# KiCad board psc_carrier_brd.kicad_pcb (continued)
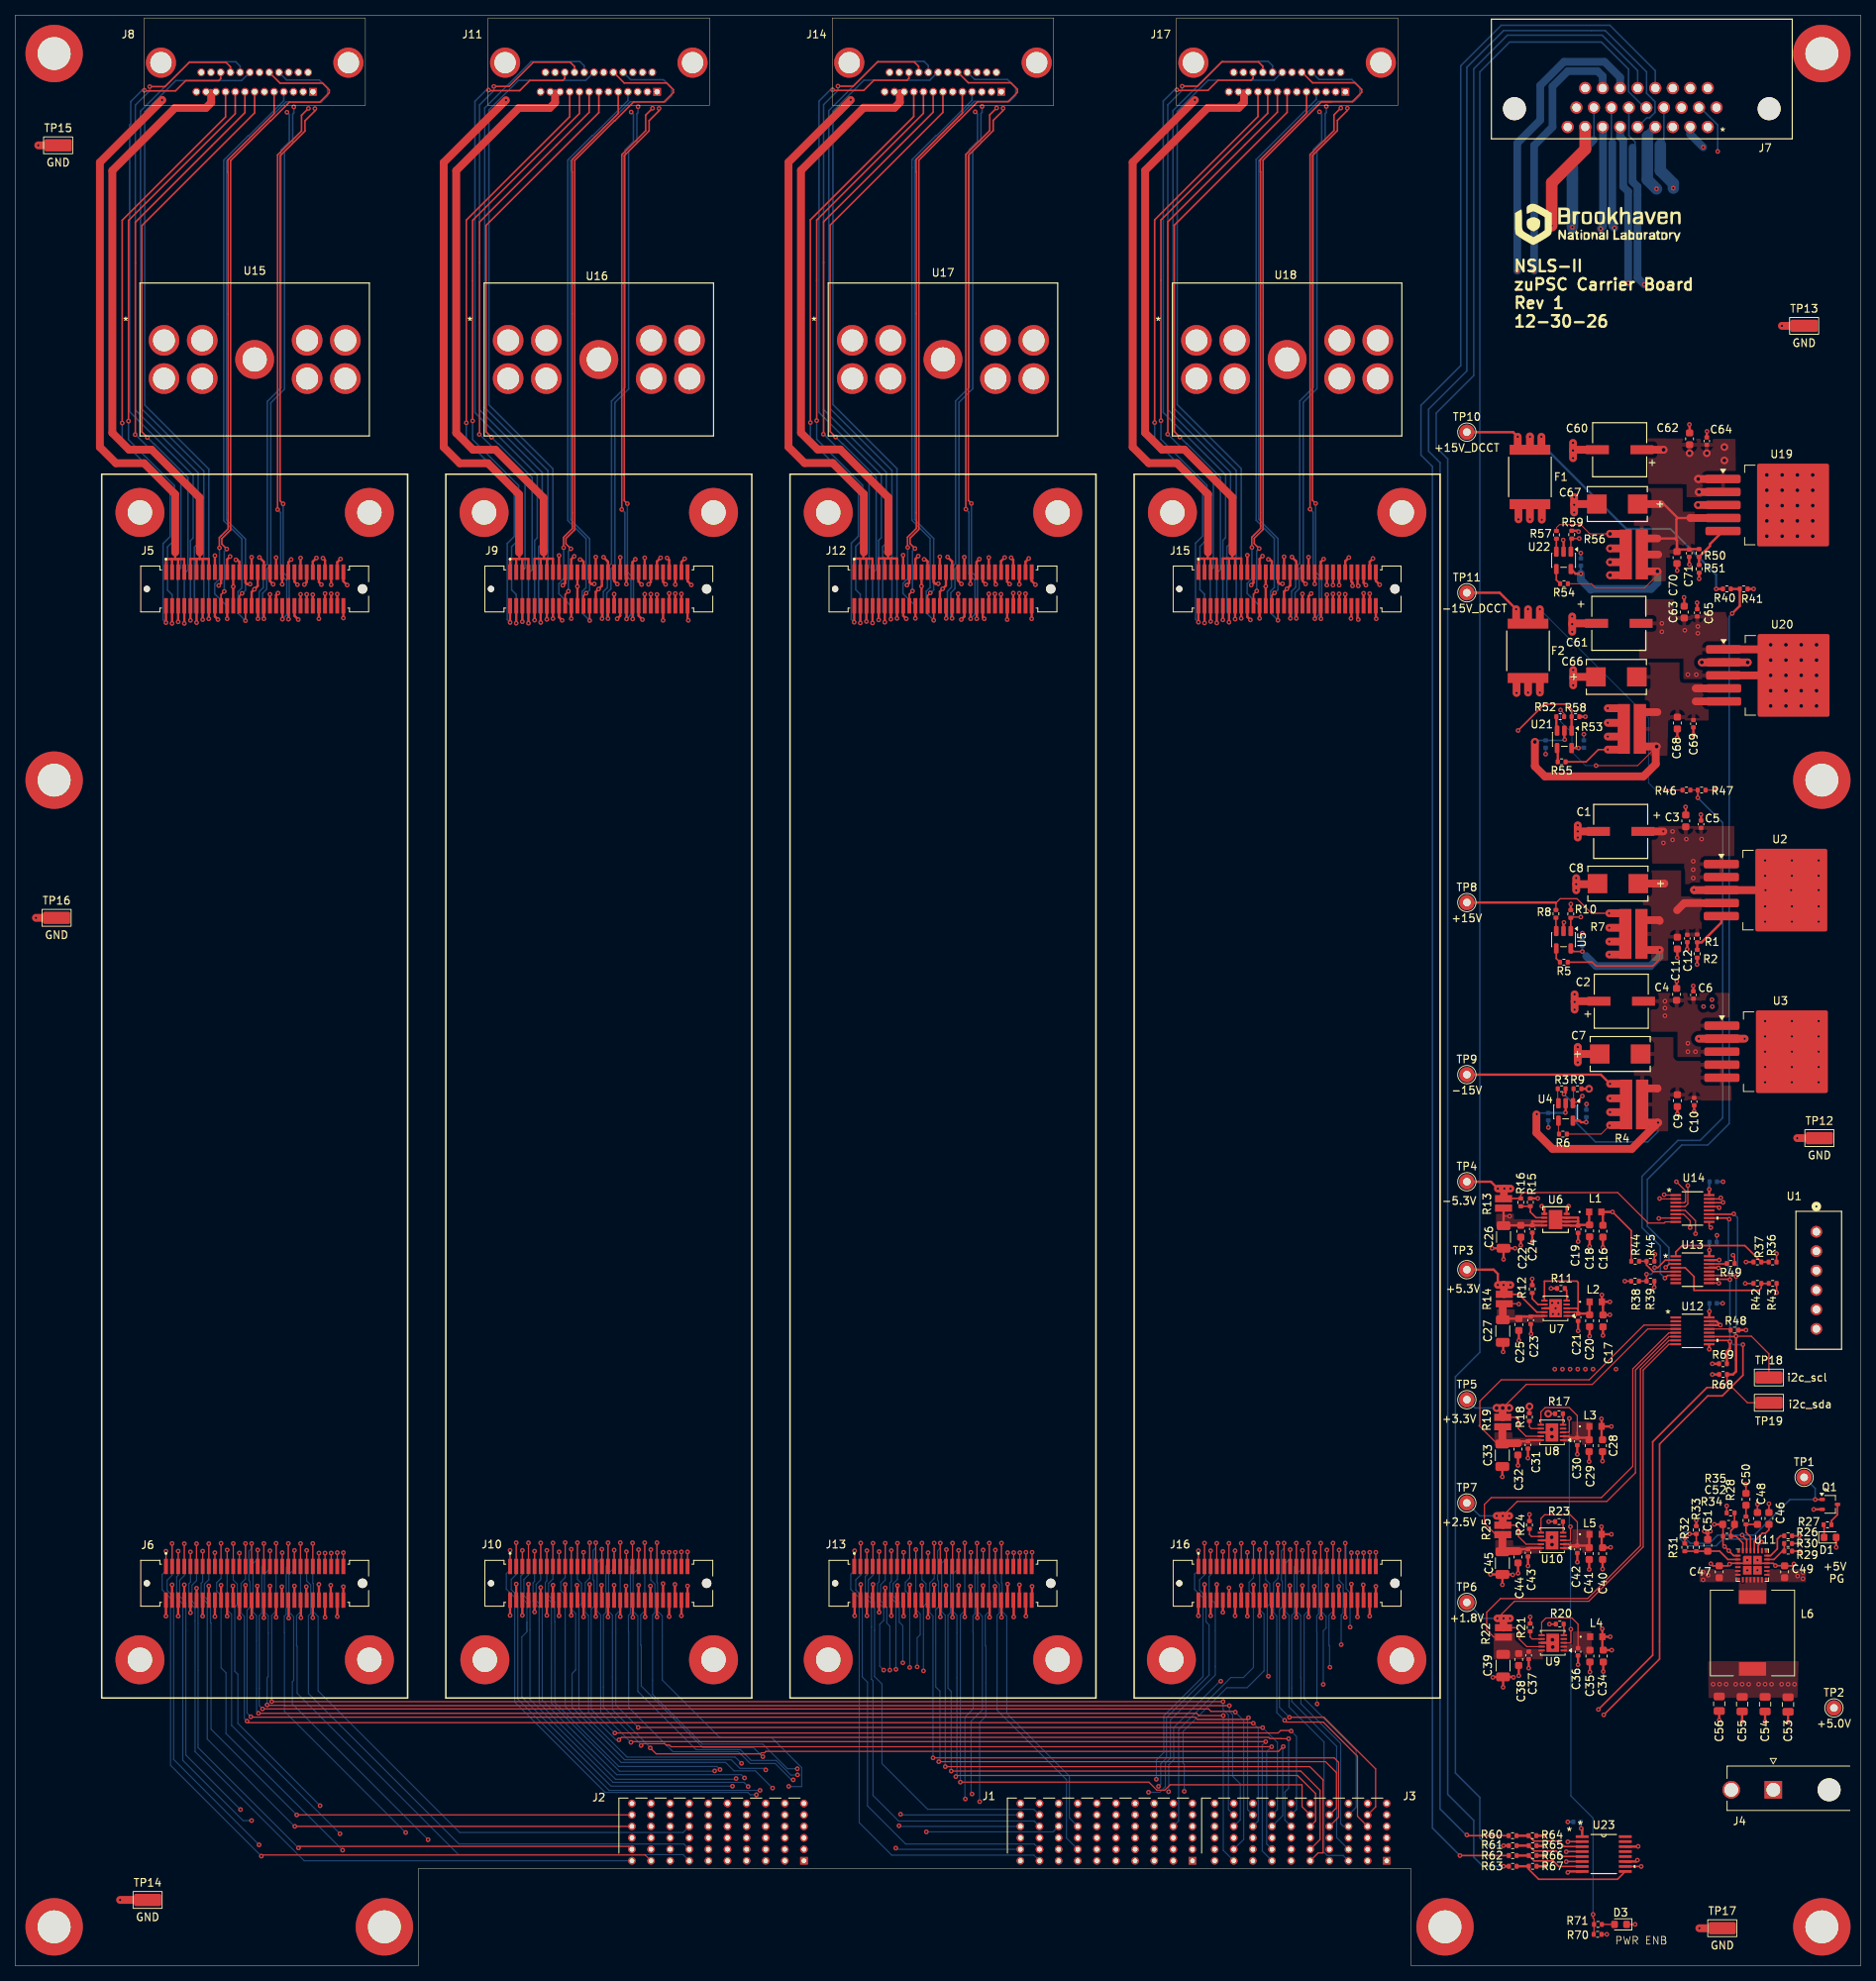
[diagram p0: board, top side]
## Routing (per net, layer and track width the routed paths; a pad name or vN(x,y) marks a point on that pad's centre or on a via; arc(x,y) is an arc through that point) (continued)
  Top w0.2: 161.86,247.59 161.86,246.76 161.6,246.5 157.27,246.5 155.95,245.18 151.95,245.18 v1(151.88,245.25)
  Top w0.3: 157.9,177.85 v1(157.9,175.96)
  Bottom w0.2: v1(157.9,175.96) 157.9,186.35 158.25,186.71 158.25,194.93 150.1,203.08 150.1,243.78 151.57,245.25 v1(151.88,245.25)
/Ch4 Daughterboard/digio.in0: length 42.6
  Top w0.15: v1(157.9,54.15) 157.9,52.25
  In2.Cu - Signal w0.15: v1(157.9,54.15) 157.9,53.82 147.55,43.48 147.55,19.34 J1.C4
/Ch4 Daughterboard/digio.in1: length 44.1
  Top w0.15: 158.7,52.18 v1(158.7,55.23)
  In2.Cu - Signal w0.15: v1(158.7,55.23) 158.1,55.23 157.31,54.43 157.31,54.06 147.02,43.78 147.02,25.43 147.12,25.33 147.12,20.41 J1.D4
/Ch4 Daughterboard/digio.in2: length 57.2
  Top w0.15: v1(159.5,54.25) 159.5,52.25
  In2.Cu - Signal w0.15: v1(159.5,54.25) 159.5,55.13 158.2,56.43 151.68,56.43 145.07,49.82 145.07,24.55 145.15,24.48 145.15,14.94 J1.A5
/Ch4 Daughterboard/digio.in3: length 57.7
  Top w0.15: 160.3,52.18 v1(160.3,55.23)
  In2.Cu - Signal w0.15: v1(160.3,55.23) 158.52,57 151.23,57 144.8,50.57 144.8,16.09 J1.B5
/Ch4 Daughterboard/digio.out0: length 42
  Top w0.15: 154.7,52.25 v1(154.7,54.25)
  In2.Cu - Signal w0.15: J1.C3 149.98,19.27 149.98,23.24 149.98,23.66 149.69,23.95 149.63,23.95 v1(149.2,24.38)
  Bottom w0.15: v1(154.7,54.25) 154.7,51.7 154.2,51.2 154.2,49.2 155.3,48.1 155.3,37.8 150.18,32.68 150.18,27.88 149.2,26.9 v1(149.2,24.38)
/Ch4 Daughterboard/digio.out1: length 42.5
  Top w0.15: J16.3 v1(155.5,55.25)
  In2.Cu - Signal w0.15: J1.D3 149.62,20.41 149.62,23.31 v1(149.48,23.45)
  Bottom w0.15: v1(155.5,55.25) 155.5,51.1 154.85,50.45 154.85,49.12 155.7,48.27 155.7,44.95 156.1,44.55 156.1,38 150.52,32.43 150.52,27.15 149.77,26.4 149.77,23.75 v1(149.48,23.45)
/Ch4 Daughterboard/digio.out2: length 48.3
  Top w0.15: J16.5 v1(156.3,54.25)
  In2.Cu - Signal w0.15: v1(148.18,22.68) 147.95,22.45 147.95,15.24 J1.A4
  Bottom w0.15: 148.07,22.77 v1(148.18,22.68) 149.65,22.68 150.38,23.4 150.38,26.48 151.05,27.15 151.05,32.15 156.9,38 156.9,39.1 156.9,43.8 156.9,47.35 156.1,48.15 156.1,50.9 156.3,51.1 v1(156.3,54.25)
/Ch4 Daughterboard/digio.out3: length 51.9
  Top w0.15: 157.1,52.18 v1(157.1,55.23)
  In2.Cu - Signal w0.15: J1.B4 145.72,15.92 145.72,49.4 152.2,55.88 156.45,55.88 v1(157.1,55.23)
/Ch4 Daughterboard/digout.on1: length 80.6
  Top w0.2: v1(152.27,199.86) 151.55,200.58 151.55,227.56 166.3,242.31 166.3,245.06
  Top w0.3: 157.1,177.85 v1(157.1,175.56)
  Bottom w0.2: v1(157.1,175.56) 157.1,182.06 157.58,182.53 157.58,194.6 153.2,198.98 153.15,198.98 v1(152.27,199.86)
/Ch4 Daughterboard/digout.on2: length 80.2
  Top w0.2: 165.03,245.06 165.03,242.33 150.7,228 150.7,200.25 v1(150.68,200.23)
  Top w0.3: 156.3,177.85 v1(156.3,175.75) 156.3,175.66
  Bottom w0.15: v1(156.3,175.75) 156.25,175.75
  Bottom w0.2: v1(150.68,200.23) 150.73,200.23 156.65,194.31 156.65,182.78 156.25,182.38 156.25,175.81 v1(156.3,175.75)
/Ch4 Daughterboard/digout.reset: length 80.8
  Top w0.2: 163.76,245.06 163.76,242.19 149.8,228.23 v1(149.8,202)
  Top w0.3: v1(155.5,175.56) 155.5,177.85
  Bottom w0.15: v1(155.5,175.56) 155.5,175.67
  Bottom w0.2: v1(155.5,175.56) 155.5,179.31 154.9,179.91 154.9,185.56 155.81,186.46 155.81,193.56 149.8,199.56 v1(149.8,202)
/Ch4 Daughterboard/digout.rtn: length 85.7
  Top w0.3: 158.7,182.25 158.7,183.94 158.65,183.99 ; 159.12,183.99 159.47,183.99 ; 159.12,183.99 158.65,183.99 ; 159.12,183.99 159.12,184.84 ; 159.47,183.99 160.3,183.99 160.3,182.25 ; 159.47,183.99 159.5,183.96 159.5,182.25 ; 158.65,183.99 157.9,183.99 157.9,182.25
  Top w1.016: 159.16,184.8 159.16,191.93 152.87,198.22 149.92,198.22 147.73,200.41 147.73,234.71 155.92,242.9 159.96,242.9 160.66,243.6 160.66,244.81
  In7.Cu - SIG w1.016: 159.95,245.06 161.22,245.06
/Ch4 Daughterboard/digout.spare: length 80.4
  Top w0.2: 162.49,245.06 162.49,241.77 148.98,228.25 v1(148.98,201.75)
  Top w0.3: v1(154.7,175.66) 154.7,177.85
  Bottom w0.2: v1(148.98,201.75) 148.98,199.43 155.27,193.13 155.25,193.1 155.25,186.91 154.32,185.98 154.32,176.03 v1(154.7,175.66)
/Ch4 Daughterboard/mon.busy: length 47.8
  Top w0.15: J16.31 v1(166.7,54.4)
  Bottom w0.15: J3.A3 173.63,14.41 171.54,14.41 171.13,14.82 171.13,29.25 166.55,33.82 166.55,45.8 166.07,46.28 166.07,52.62 166.7,53.25 v1(166.7,54.4)
/Ch4 Daughterboard/mon.cnvrt: length 47.2
  Top w0.15: v1(166.6,32.48) 171.12,32.48 177.88,25.73 177.88,20.77 J3.D2 ; J16.29 v1(165.9,55.25)
  Bottom w0.15: v1(165.9,55.25) 165.9,54.6 165.55,54.25 165.55,50.4 165.68,50.27 165.68,46.93 165.3,46.55 165.3,33.77 v1(166.6,32.48)
/Ch4 Daughterboard/mon.fs: length 46.4
  Top w0.15: J16.33 v1(167.5,55.25)
  Bottom w0.15: v1(167.5,55.25) 167.5,52.45 167.23,52.18 167.23,46.13 166.9,45.8 166.9,36.3 166.9,34.55 172.77,28.68 172.77,16.76 J3.B3
/Ch4 Daughterboard/mon.reset: length 48.2
  Top w0.15: v1(165.98,32.07) 166.2,31.85 171.02,31.85 175.5,27.38 175.5,19.54 J3.C2 ; J16.27 v1(165.1,55.25)
  Bottom w0.15: v1(165.98,32.07) 164.95,33.1 164.95,45.71 164.52,46.14 164.52,50.04 165.1,50.61 v1(165.1,55.25)
/Ch4 Daughterboard/mon.sclk: length 42.1
  Top w0.15: 169.1,52.23 v1(169.1,55.27)
  Bottom w0.15: J3.D3 175.32,20.72 175.32,28.12 168.52,34.93 168.52,45.84 169.1,46.41 v1(169.1,55.27)
/Ch4 Daughterboard/mon.sdo: length 41.6
  Top w0.15: 168.3,52.23 v1(168.3,54.3)
  Bottom w0.15: J3.C3 173.66,18.22 173.3,18.57 173.3,29.05 168.1,34.25 168.1,37.7 168.08,37.72 168.08,45.79 167.58,46.29 167.58,51.25 168.3,51.97 v1(168.3,54.3)
/Ch4 Daughterboard/ps.ignd+: length 75.9
  Top w0.2: v1(165.1,175.91) 165.1,177.85
  Bottom w0.2: 170.11,245.06 170.11,244 162.25,236.14 162.25,188.98 164.62,186.6 164.62,180.19 164.13,179.7 164.13,176.88 v1(165.1,175.91)
/Ch4 Daughterboard/ps.ignd-: length 84.5
  Top w0.2: v1(164.65,179.48) 164.3,179.13 164.3,177.85
  Bottom w0.2: v1(164.65,179.48) 164.7,179.48 165.1,179.88 165.1,186.58 162.6,189.08 162.6,236 162.68,236 170.4,243.73 175.02,243.73 175.82,244.53 175.82,245.53 174.75,246.61 170.46,246.61 169.48,247.59
/Ch4 Daughterboard/ps.spare+: length 74.9
  Top w0.2: 168.84,245.06 168.84,242.2 162.8,236.16 162.8,234.56 162.83,234.53 162.83,187.91 161.68,186.76 161.68,185.45 v1(161.7,185.43)
  Top w0.3: 162.7,177.85 v1(162.7,176.16)
  In2.Cu - Signal w0.2: v1(162.7,176.16) 162.58,176.28
  Bottom w0.2: v1(161.7,185.43) 161.7,181.34 161.08,180.72 161.08,179.4 162.73,177.75 162.73,176.18 v1(162.7,176.16) 162.58,176.28
/Ch4 Daughterboard/ps.spare-: length 86.3
  Top w0.2: 172.1,243.7 170.85,243.7 ; 172.1,243.7 170.8,243.7 163.15,236.06 163.15,187.78 162,186.63 162,185.93 v1(162.65,185.28) ; 172.1,243.7 174.82,243.7 176.05,244.93 176.05,245.31 175.18,246.18 169.62,246.18 168.2,247.59 ; v1(162.32,179.73) 161.9,179.31 161.9,177.85
  Bottom w0.2: v1(162.32,179.73) 162.32,184.96 v1(162.65,185.28)
/Ch4 Daughterboard/ps.vout+: length 72.4
  Top w0.3: 167.5,177.85 v1(167.5,176.16)
  In7.Cu - SIG w0.2: v1(171.43,243.08) 171.43,245.01 171.38,245.06
  Bottom w0.2: v1(171.43,243.08) 171.43,242.31 171.27,242.16 171.27,238.34 170.2,237.26 170.2,206.19 168.4,204.39 168.4,183.16 167.88,182.64 167.88,180.04 167.34,179.5 167.34,176.32 v1(167.5,176.16)
/Ch4 Daughterboard/ps.vout-: length 83.1
  Top w0.3: 166.73,177.85 v1(166.73,176.16)
  In7.Cu - SIG w0.2: 170.75,247.59 170.75,247.01 171.27,246.48 174.52,246.48 175.35,245.66 175.35,243.29 174.39,242.33 170.57,242.33 v1(170.52,242.38)
  Bottom w0.2: v1(170.52,242.38) 170.82,242.08 170.82,238.52 169.75,237.45 169.75,206.37 167.95,204.58 167.95,183.35 167.43,182.82 167.43,180.22 166.89,179.69 166.89,176.32 v1(166.73,176.16)
/Ch4 Daughterboard/reg.out+: length 73.1
  Top w0.2: v1(174.18,242.86) 174.18,242.56 172.88,241.25 172.88,239.93 169.62,236.67 169.62,191.58 v1(170.02,191.18)
  Top w0.3: 170.73,177.75 v1(170.73,176.1)
  In7.Cu - SIG w0.2: 173.92,245.06 173.92,244.49 174.18,244.23 v1(174.18,242.86)
  Bottom w0.2: v1(170.02,191.18) 170.02,182.23 170.02,182.23 170.82,181.43 170.82,176.2 v1(170.73,176.1)
/Ch4 Daughterboard/reg.out-: length 77.9
  Top w0.2: v1(173.32,242.88) 172.43,241.98 172.43,239.93 169.3,236.81 v1(169.3,190.43)
  Top w0.3: 169.93,177.75 v1(169.93,176.1)
  In2.Cu - Signal w0.2: v1(173.32,242.88) 175.27,244.83 175.27,246.78 174.46,247.59 173.29,247.59
  Bottom w0.2: v1(169.93,176.1) 170.5,176.68 170.5,181.16 169.7,181.95 169.7,190.03 v1(169.3,190.43) 169.3,190.46
/DCCT Fault Logic/dcct_flt.12: length 277.3
  Top w0.2: R60.1 189.9,17
  Top w0.3: 189.9,17 v1(189.8,17.1)
  Bottom w0.15: v1(189.8,17.1) 189.7,17.1
  Bottom w0.2: J7.5 213.33,241.6 213.7,241.6 214.4,242.3 214.4,243.7 213.3,244.8 213.3,247.6 207.9,253 194.6,253 189.8,248.2 189.8,208.5 184.8,203.5 184.8,198 186.3,196.5 186.3,20.5 189.7,17.1
/DCCT Fault Logic/dcct_flt.34: length 266.4
  Top w0.3: R61.1 v1(194.6,15.7)
  Bottom w0.2: J7.14 213.03,242.94 210.95,245.02 210.95,247.95 207.4,251.5 195.4,251.5 191.5,247.6 191.5,80.2 188.3,77 188.3,25.2 191.5,22 191.5,16.7 192.5,15.7 v1(194.6,15.7)
/DCCT Fault Logic/dcct_flt.56: length 277
  Top w0.2: v1(188.9,14.4) R62.1
  Bottom w0.2: J7.22 214.44,247.76 208.5,253.7 194.3,253.7 189,248.4 189,209.2 183.8,204 183.8,197.5 185.3,196 185.3,18 v1(188.9,14.4)
/DCCT Fault Logic/dcct_flt.78: length 270.4
  Top w0.3: R63.1 v1(194.6,13)
  Bottom w0.15: 190.7,208 190.7,207.9
  Bottom w0.2: 190.7,207.9 185.8,203 185.8,198.5 187.3,197 187.3,22.4 190.7,19 190.7,14.2 191.9,13 v1(194.6,13) ; J7.23 212.13,247.77 207.5,252.4 195.1,252.4 190.7,248 190.7,208
/DCCT Fault Logic/dcct_flt_buf.12: length 37.4
  Top w0.2: v1(203,16.2) 203.03,16.23 U23.2
  In7.Cu - SIG w0.2: v1(203,16.2) 206.8,16.2 207.6,15.4 207.6,13.8 206.7,12.9 202.76,12.9 201.95,13.72 J3.A1
/DCCT Fault Logic/dcct_flt_buf.34: length 25.7
  Top w0.2: U23.4 202.83,14.93 v1(202.8,14.9)
  In7.Cu - SIG w0.2: J3.B1 179.54,15 202.7,15 v1(202.8,14.9)
/DCCT Fault Logic/dcct_flt_buf.56: length 27.5
  Top w0.2: v1(202.8,13.6) 202.83,13.63 U23.6
  In2.Cu - Signal w0.2: v1(202.8,13.6) 187.1,13.6 182.48,18.22 J3.C1
/DCCT Fault Logic/dcct_flt_buf.78: length 40.1
  Top w0.2: U23.10 v1(212.6,12.97) 212.63,13
  In2.Cu - Signal w0.2: v1(212.6,12.97) 212.57,13 208.3,13 208.3,16.3 204.88,19.72 J3.D1
/regulators/+1.8V regulator/imon_hi: length 58.7
  Top w0.15: U12.7 216.23,81.75 212.5,78.02 212.5,54.9 205.6,48 194.2,48 192.4,46.2 192.4,43.89 193.33,42.96 R22.1
  Top w0.3: 198.05,41.21 C37.1 ; 194.64,40.81 C39.1 ; 194.54,42.91 R22.1 ; 196.83,41.06 C38.1
/regulators/+2.5V regulator/imon_hi: length 54.7
  Top w0.15: U12.5 216.23,82.75 211.5,78.02 211.5,65.3 207.4,61.2 193,61.2 192.1,60.3 192.1,57.86 193.65,56.31 194.45,56.31
  Top w0.3: 194.55,54.21 C45.1 ; 194.45,56.31 R25.1 ; U10.10 197.95,54.62 C43.1 196.74,54.46 C44.1
  Top w1.016: C45.1 194.45,56.31 ; C44.1 194.55,54.21
/regulators/+3.3V regulator/imon_hi: length 44.6
  Top w0.15: 194.54,68.31 193.69,68.31 191.4,70.6 191.5,70.7 191.5,73.8 194.3,76.6 205.8,76.6 212.95,83.75 U12.3
  Top w0.3: 194.54,68.31 C33.1 ; U8.10 197.94,68.72 C31.1 196.73,68.56 C32.1 ; 194.44,70.42 R19.1
  Top w1.016: C32.1 194.54,68.31 ; C33.1 194.44,70.42
/regulators/+15v -15v DCCT Regulators/isense_+15v: length 109.5
  Top w0.15: U14.1 215.65,100.75 v1(215.6,100.8) ; U22.1 203.4,186.3 203.51,186.41 R59.1 204.49,186.59 v1(204.5,186.6)
  In2.Cu - Signal w0.15: v1(215.6,100.8) 213.3,100.8 210.6,103.5 198.5,103.5 197.7,104.3 197.7,162.1 200.28,164.68 200.28,183.57 203.3,186.6 v1(204.5,186.6)
/regulators/+15v -15v DCCT Regulators/isense_-15v: length 90.6
  Top w0.15: 217.06,100.2 U14.2 215.05,100.25 v1(215,100.3)
  Top w0.2: v1(196.5,161.5) 199.95,164.95 202.8,164.95 203.5,164.25 R58.1
  Top w0.3: R58.1 U21.1
  In2.Cu - Signal w0.15: v1(196.5,161.5) 197.2,160.8 197.2,104.42 198.92,102.7 210.3,102.7 212.7,100.3 v1(215,100.3)
/regulators/+15v -15v PSC Regulators/isense_+15v: length 55.1
  Top w0.15: v1(217.2,102.5) 218.4,101.3 218.4,99.9 218.25,99.75 U14.3 ; R10.1 203.49,137.1 v1(204.7,137.1)
  Top w0.2: R10.1 203.39,135.28
  In2.Cu - Signal w0.15: v1(204.7,137.1) 200.4,132.8 200.4,112 207.1,105.3 214.4,105.3 v1(217.2,102.5)
/regulators/+15v -15v PSC Regulators/isense_-15v: length 29.3
  Top w0.11: U4.1 203.75,112.84 R9.1
  Top w0.15: v1(204.9,113.7) 204.6,113.4 204.6,113.1 204.4,112.9 203.81,112.9 U4.1 ; v1(218.7,102) 218.7,99.6 218.35,99.25 U14.4
  In2.Cu - Signal w0.15: v1(204.9,113.7) 204.6,113.4 204.6,109.7 208.3,106 214.7,106 v1(218.7,102)
/regulators/enb: length 130.6
  Top w0.15: R71.1 206.43,4.14 R70.1 ; R71.1 206.3,5.53 ; R71.1 206.43,6.13 206.3,6.26 v1(206.3,6.7) ; 202.44,55.6 203.25,55.6 203.35,55.7 v1(203.35,57.4) ; 202.3,69.75 203.1,69.75 203.2,69.85 v1(203.2,71.55) ; v1(203.4,44) 203.4,42.3 203.3,42.2 202.5,42.2 U9.3
  In2.Cu - Signal w0.15: J3.B10 157.63,16.02 182.98,16.02 192,7 206,7 v1(206.3,6.7)
  Bottom w0.15: v1(206.3,6.7) 206.3,19.3 203.4,22.2 v1(203.4,44) 203.35,44.05 v1(203.35,57.4) 203.2,57.55 v1(203.2,71.55)
/regulators/i2c_scl: length 150.1
  Top w0.15: v1(225,82.3) 227,82.3 229.3,80 TP18.1
  Top w0.2: v1(225,90.1) 224.85,90.25 U13.11 ; U12.11 224.95,82.25 v1(225,82.3) ; v1(224.7,98.3) 224.65,98.25 U14.11 ; v1(207,33.5) 214.1,40.6 214.1,68.5 221.2,75.6 223.2,75.6 223.82,76.22 R68.2
  Top w0.3: R68.2 224.6,77.3 225,77.7 v1(225,82.3)
  In2.Cu - Signal w0.2: J3.D10 157.8,20.69 157.8,22.9 158.6,23.7 170.7,23.7 172.8,25.8 199.3,25.8 v1(207,33.5)
  Bottom w0.2: v1(225,82.3) v1(225,90.1) 225,90.6 225.2,90.8 225.2,97.8 v1(224.7,98.3)
/regulators/i2c_sda: length 150.6
  Top w0.15: TP19.1 226.5,73.6 224.4,75.7
  Top w0.2: v1(224.2,81.6) 224.05,81.75 U12.10 ; v1(225.9,81.2) 225.9,77.2 223.2,74.5 221.3,74.5 215,68.2 215,40.1 v1(207.7,32.8) ; v1(224.1,97.6) 224.1,97.6 223.95,97.75 U14.10 ; v1(224.2,89.7) 224.15,89.75 U13.10
  Top w0.3: v1(224.2,81.6) 224.2,80.7 223.8,80.3 R69.2
  In2.Cu - Signal w0.2: J3.C10 158.3,19.69 158.3,22.4 158.9,23 171.3,23 173.4,25.1 200,25.1 v1(207.7,32.8)
  Bottom w0.2: v1(224.1,97.6) 224,97.5 224,90.6 224.2,90.4 v1(224.2,89.7) v1(224.2,81.6) 224.6,81.2 v1(225.9,81.2)
Net-(C50-Pad1): length 1.5
  Top w0.2: C50.1 R28.2
Net-(D1-K): length 1.7
  Top w0.2: D1.1 236.51,57.59 R27.1
Net-(D3-A): length 1.7
  Top w0.15: R71.2 D3.2
Net-(Q1-D): length 3
  Top w0.2: R27.2 237.47,58.17 238.27,58.97 Q1.3
Net-(Q1-G): length 27.1
  Top w0.2: v1(235.35,60.95) 236.2,60.95 ; v1(225.8,56.3) 225.8,56.25 226.39,55.66 U11.23 ; R31.1 v1(218.3,55.95)
  Bottom w0.2: TP1.1 235.35,62.4 v1(235.35,60.95) 232.05,60.95 227.4,56.3 v1(225.8,56.3) 222.6,56.3 221.53,55.23 219.02,55.23 v1(218.3,55.95)
Net-(U2-ADJ): length 6.1
  Top w0.3: U2.5 223.07,136.38 220.5,133.8 R1.2 R2.1
Net-(U4-+): length 1.8
  Top w0.11: U4.4 201.77,108.81 R6.2
Net-(U4--): length 1.9
  Top w0.11: R3.2 201.69,112.84 U4.3
Net-(U5-+): length 2
  Top w0.2: R5.2 201.49,131.69 U5.4
Net-(U5--): length 1.8
  Top w0.2: R8.2 201.45,135.31 201.49,135.28
Net-(U6-SENSE/ADJ): length 4.2
  Top w0.2: 199.94,97.8 198.85,97.8 198.1,98.55 R16.1 198.09,99.29 R15.2
Net-(U7-ILIM): length 1.7
  Top w0.2: U7.5 202.85,88.31 R11.1
Net-(U7-SET): length 2.7
  Top w0.2: U7.7 199.11,86.46 199.1,86.45 198.35,87.2 R12.1
Net-(U8-ILIM): length 1.5
  Top w0.2: U8.5 202.38,72.14 R17.1
Net-(U8-SET): length 2.4
  Top w0.15: U8.7 198.24,70.22 197.98,70.48 R18.1
Net-(U9-ILIM): length 1.5
  Top w0.2: R20.1 202.48,44.64 U9.5
Net-(U9-SET): length 2.4
  Top w0.15: R21.1 198.08,42.97 198.34,42.71 U9.7
Net-(U10-ILIM): length 1.5
  Top w0.2: U10.5 202.39,58.04 R23.1
Net-(U10-SET): length 2.4
  Top w0.15: U10.7 198.25,56.12 197.99,56.37 R24.1
Net-(U11-EN/UV): length 3.7
  Top w0.2: R30.1 231.3,55.19 R29.2 231.05,54.2 229.96,53.11 U11.17
Net-(U11-FB): length 6.2
  Top w0.2: R35.1 C52.2 224.8,57.35 224.32,56.87 R34.2 225,56.15 225.89,55.26 U11.24
Net-(U11-INTVCC): length 7.4
  Top w0.2: U11.2 223.94,53.11 222.85,54.2 C51.1 221.29,54.19 R33.1 R31.2
Net-(U11-RT): length 4.1
  Top w0.2: U11.18 229.51,53.61 230.4,54.5 230.4,55.8 230.8,56.2 R26.1
Net-(U11-SYNC/MODE): length 17.1
  Top w0.2: R33.2 R32.1 218.91,56.45 v1(218.9,56.45) ; U11.20 227.89,54.94 v1(228.35,55.4)
  Bottom w0.2: v1(218.9,56.45) 218.75,56.45 218.5,56.7 218.05,56.7 217.65,56.3 217.65,55.85 218.6,54.9 222.4,54.9 223.28,55.78 227.97,55.78 v1(228.35,55.4)
Net-(U11-TR/SS): length 4.5
  Top w0.2: C46.1 229.3,57 228.85,56.55 228.45,56.55 227.39,55.49 U11.21
Net-(U11-VC): length 5.2
  Top w0.2: C48.1 R28.1 226.3,56.65 226.89,56.06 U11.22
Net-(U12-ADR0): length 2.9
  Top w0.15: U12.13 224.14,83.25 R48.2
Net-(U13-ADR1): length 2.4
  Top w0.2: R49.2 223.74,91.75 U13.14 221.53,91.7
Net-(U13-V1): length 14
  Top w0.2: U13.1 217.12,93.32 217.95,94.15 226.15,94.15 R37.1 R36.2
Net-(U13-V2): length 6.7
  Top w0.2: R38.2 R39.1 v1(213.3,90.4) ; U13.2 215.75,92.25 214.78,91.28 v1(214.36,91.28)
  Bottom w0.2: v1(213.3,90.4) 213.9,90.4 214.36,90.86 v1(214.36,91.28)
Net-(U13-V3): length 99.7
  Top w0.2: U13.3 216.25,91.75 v1(215.8,91.3)
  Top w0.3: v1(224.5,176.8) 225.49,177.79 R41.1 R40.2
  Bottom w0.2: v1(215.8,91.3) 216.22,91.72 216.22,93.88 213.4,96.7 213.4,102.8 217.9,107.3 221.3,107.3 224.1,110.1 224.1,176.4 v1(224.5,176.8)
Net-(U13-V4): length 15.2
  Top w0.2: U13.4 218.35,91.25 219.5,90.1 219.5,88.3 228,88.3 228.3,88.6 R42.2 R43.1
Net-(U13-V5): length 5.6
  Top w0.2: R44.2 R45.1 213.3,91.6 214.15,90.75 U13.5
Net-(U13-V6): length 75
  Top w0.11: R46.2 R47.1
  Top w0.2: v1(220,152.7) 220,153.69 R47.1 ; v1(215.7,89.9) 216.05,90.25 U13.6
  Bottom w0.2: v1(215.7,89.9) 215.1,90.5 215.1,94.1 212.7,96.5 212.7,103.2 217.4,107.9 220.3,107.9 223.25,110.85 223.25,149.45 v1(220,152.7)
Net-(U19-ADJ): length 7.2
  Top w0.3: R51.1 220.17,183.15 R50.2 221.59,185.61 221.59,185.86 U19.5 221.8,187.57
Net-(U21-+): length 1.8
  Top w0.3: R55.2 201.69,159.11 U21.4
Net-(U21--): length 1.9
  Top w0.3: U21.3 201.5,161.57 R52.2
Net-(U22-+): length 2.1
  Top w0.2: U22.4 201.5,181.18 R54.2
Net-(U22--): length 1.7
  Top w0.2: U22.3 201.5,186.56 R57.2
Net-(U23-Ain): length 9.2
  Top w0.2: R64.1 198.57,16.3 201.8,16.3 202.53,15.57 U23.3
  Top w0.3: R60.2 R64.1
Net-(U23-Bin): length 9.2
  Top w0.2: U23.5 202.22,14.28 201.5,15 198.6,15 197.9,15.7 R65.1
  Top w0.3: R61.2 R65.1
Net-(U23-Cin): length 9.2
  Top w0.2: U23.7 201.82,12.98 201.1,13.7 198.6,13.7 197.9,14.4 R66.1
  Top w0.3: R62.2 R66.1
Net-(U23-Din): length 15.6
  Top w0.2: U23.9 209.49,11.3 199.2,11.3 197.89,12.61 R67.1
  Top w0.3: R63.2 R67.1

## Copper pours and planes (outline as drawn; the poured copper is in the pictures)
+1.8V on In7.Cu - SIG: 211.5,76 3.7,76 3.7,37 211.5,37
+2.5V on In5.Cu -PWR: 213.55,76 11.25,76 11.25,37 213.55,37
+3.3V on In4.Cu - PWR: 240.5,104.1 215.7,104.1 215.8,77.6 3.8,77.1 3.7,37 193.2,37 193.2,1.9 240.15,1.9
+5.0V on Top: 221.35,39.8 233.19,39.8 233.05,35.05 228.8,35.05 221.4,35
+5.0V on In2.Cu - Signal: 240.3,76 211.5,76 211.48,80.14 199.75,80.05 199.7,75.8 3.8,76 3.8,37 212.3,37 212.3,16.5 240.3,16.5
+5.0V on In7.Cu - SIG: 199.7,75.8 211.5,76 211.37,161.7 199.64,161.75
+5.3V on In7.Cu - SIG: 196.3,91.5 196.3,88.5 11.3,88.5 11.3,195 191.8,195 191.8,91.5
+15V on In4.Cu - PWR: 213.57,151.96 213.49,79.78 11.3,78.96 11.3,195 186.3,195 186.3,150 213.93,149.9
+15V_DCCT on In4.Cu - PWR: 200.32,245.22 224.85,244.97 224.81,196.27 194.15,196.2 194.06,245.15 200.5,245.15
+18V on Top: 220.2,51.85 220.2,50.15 225.3,50.15 225.3,51.85
+18V on Top: 213.53,193.5 218.53,193.7 218.53,192 225.03,191.9 224.93,199.6 213.44,199.7
+18V on Top: 213.94,149.01 224.78,149.01 224.78,141.4 218.23,141.4 218.23,144.1 214.03,144.1
+18V on Top: 229.05,51.85 229.05,50.15 234.15,50.15 234.15,51.85
+18V on In7.Cu - SIG: 240.62,48.59 213,48.59 211.7,205.5 240.1,205.5
-5.3V on In2.Cu - Signal: 197.3,106 197.32,100.73 11.3,100.5 11.3,195 186.3,195 186.3,120 197.3,120
-15V on In5.Cu -PWR: 213.37,125.47 213.3,93.8 11.3,93.7 11.3,195 186.3,195 186.3,127.5 213.55,127.75 213.6,121.3
-15V_DCCT on In5.Cu -PWR: 200.45,252.75 224.98,252.5 224.91,173.76 193.56,173.95 193.26,252.68 200.62,252.68
-18V on Top: 224.12,118.8 217.32,118.8 217.32,122.1 213.82,122.1 213.82,127.2 224.12,127.2
-18V on Top: 216.9,177 216.9,178.65 212.35,178.66 212.33,170.91 218.12,170.9 218.12,168.2 223.98,168.2 223.95,177 221.12,176.99
-18V on In2.Cu - Signal: 213.03,178.85 240.4,178.9 240.5,87.33 212.88,87.3
/regulators/+1.8V regulator/Vin_1.8v on Top: 202.5,42 203.65,42 203.65,43.7 206.1,43.71 206.15,40.65 205,40.65 205,41 202.5,41
/regulators/+2.5V regulator/Vin_2.5v on Top: 202.39,55.35 203.54,55.35 203.54,57.05 205.99,57.06 206.04,54 204.89,54 204.89,54.35 202.39,54.35
/regulators/+3.3V regulator/Vin_3.3v on Top: 202.35,69.45 203.5,69.45 203.5,71.15 205.95,71.16 206,68.1 204.85,68.1 204.85,68.45 202.35,68.45
/regulators/+5VA regulator/+5.3Vout on Top: 199.81,85.09 196.06,85.1 196.06,85.83 193.71,85.83 193.71,84.09 199.81,84.09
/regulators/+5VA regulator/-5.3Vout on Top: 199.71,97.59 195.96,97.6 195.96,98.33 193.61,98.33 193.61,96.59 199.71,96.59
/regulators/+5VD regulator/+5vrego on Top: 225.35,47.3 225.38,49.07 225.35,50.25 225.8,50.85 228.4,50.85 229.01,50.25 229,47.3
/regulators/+15v -15v DCCT Regulators/+15V_DCCT_REG on Top: 218.03,190.1 218.03,193.2 210.23,193.2 210.23,188.82 211.62,188.82 211.62,181 215.82,181 215.82,184.1 219.62,184.1 219.62,190.1
/regulators/+15v -15v DCCT Regulators/+15V_DCCT_uf on In4.Cu - PWR: 195.14,190.19 209.95,190.2 209.95,180.7 195.15,180.65
/regulators/+15v -15v DCCT Regulators/-15V_DCCT_REG on Top: 221.43,167.8 217.73,167.8 217.73,170.4 213.03,170.4 213.1,166.22 213.08,166.22 212.98,158.2 216.03,158.2 216.12,162.8 221.43,162.8
/regulators/+15v -15v DCCT Regulators/-15V_DCCT_uf on In5.Cu -PWR: 194.89,167.45 208.9,167.45 208.9,158.05 194.9,158.05
/regulators/+15v -15v PSC Regulators/+15V_PSC_REG on Top: 217.82,143.2 217.82,139.8 220.53,139.8 220.53,134.3 216.12,134.31 216.12,131.4 213.68,131.4 212.82,131.4 212.82,143.2
/regulators/+15v -15v PSC Regulators/-15V_PSC_REG on Top: 211.62,121.4 211.67,109.1 216.12,109.1 216.12,113.1 224.43,113.1 224.33,118.6 216.93,118.6 216.93,121.4
GND on In1.Cu - GND, In3.Cu - GND, In6.Cu - GND, In8.Cu - GND: 1.3,254 240.3,254 240.22,1 183.3,1 183.19,13 51.3,13 51.3,1 1.3,1.08
/regulators/+1.8V regulator/imon_hi on Top: 199.42,41.5 197.31,41.51 196.1,42.6 196.1,43.5 193.3,43.57 193.3,40.05 199.75,40.05 199.75,41.5
/regulators/+2.5V regulator/imon_hi on Top: 199.61,54.89 195.86,54.92 195.86,55.64 193.51,55.64 193.51,53.89 199.61,53.89
/regulators/+3.3V regulator/imon_hi on Top: 199.5,69 195.75,69.02 195.75,69.75 193.4,69.75 193.4,68 199.5,68

## Text on the board
F.Fab: Copper Layer Count: | Board overall dimensions: | Min track/spacing: | Copper Finish: | Castellated pads: | Edge card connectors: | 10 | 241.3000 mm x 255.0000 mm | 0.0000 mm / 0.0000 mm | ENIG | No | Board Thickness: | Min hole diameter: | Impedance Control: | Plated Board Edge: | 1.6000 mm | 0.3000 mm | BOARD CHARACTERISTICS | zuPSC Carrier Board
F.Silkscreen: PWR ENB | + | +5V / PG | NSLS-II / zuPSC Carrier Board / Rev 1 / 12-30-26
